# KiCad board nt980.dk.kicad_pcb (continued)
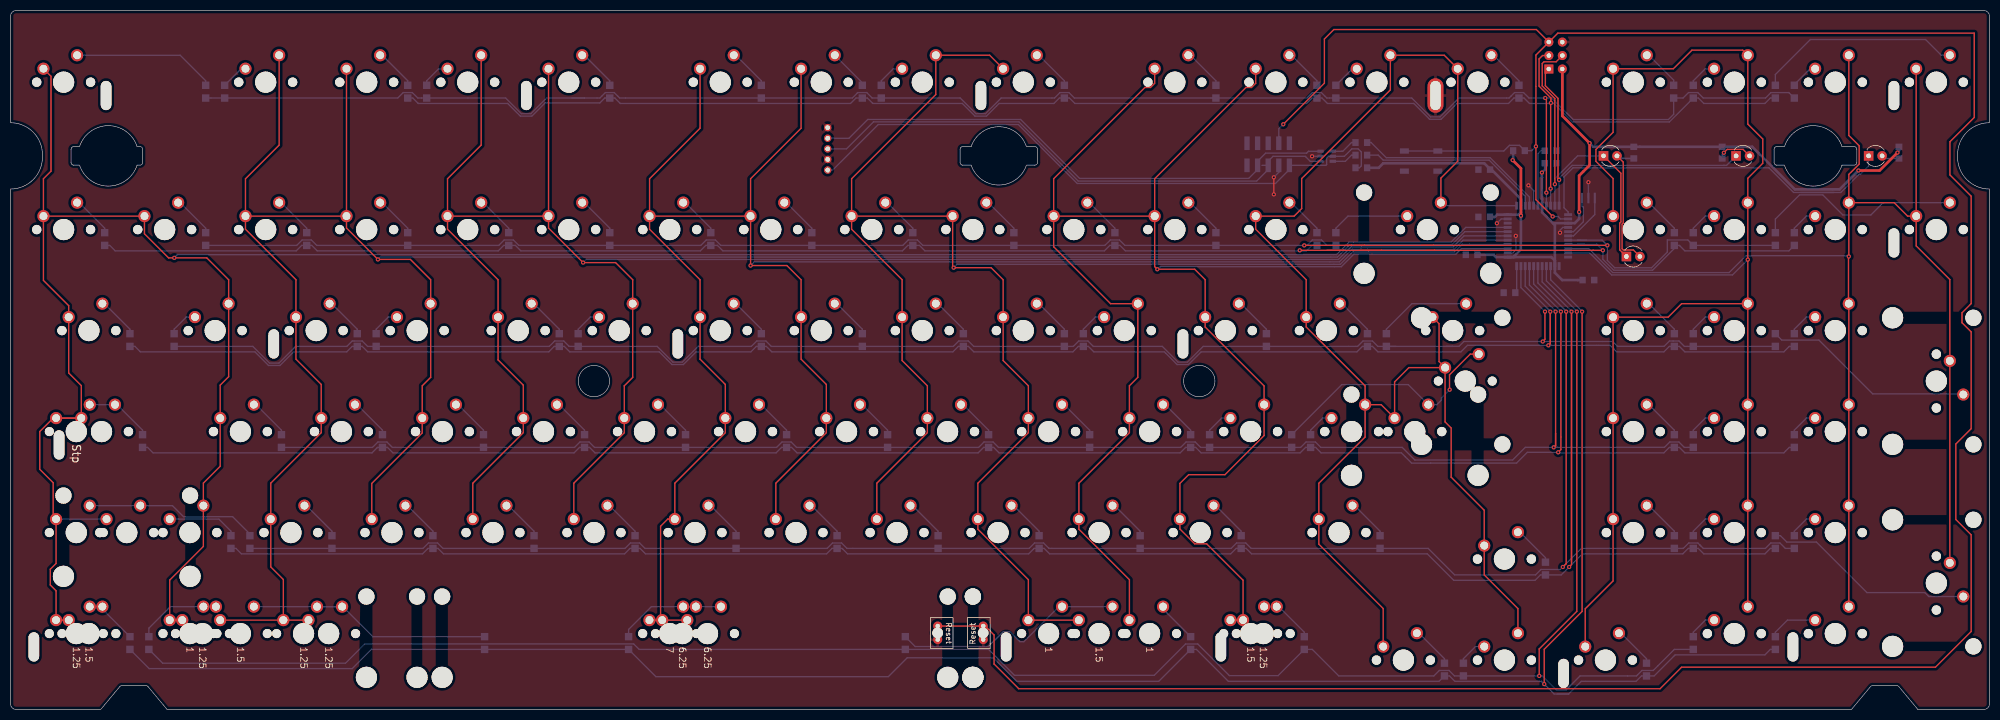
[diagram p0: board, top side]
## Nets (continued)
Net-(D82-Pad2): D82.2 K82.1
Net-(D83-Pad2): D83.2 K83.1
Net-(D84-Pad2): D84.2 K84.1
Net-(D85-Pad2): D85.2 K85.1
Net-(D86-Pad2): D86.2 K86.1
Net-(D87-Pad2): D87.2 K87.1
Net-(D88-Pad2): D88.2 K88.2
Net-(D89-Pad2): D89.2 K89.2
Net-(D90-Pad2): D90.2 K90.1
Net-(D91-Pad2): D91.2 K91.1 K91-2.1
Net-(D92-Pad2): D92.2 K92.1 K92-2.1
Net-(D93-Pad2): D93.2 K93.1 K93-2.1 K93-3.1
Net-(D97-Pad2): D97.2 K97.1 K97-2.1 K97-3.1
Net-(D100-Pad2): D100.2 K100.1 K100-2.1
Net-(D101-Pad2): D101.2 K101.1
Net-(D102-Pad2): D102.2 K102.1 K102-2.1
Net-(D103-Pad2): D103.2 K103.1
Net-(D104-Pad2): D104.2 K104.2
Net-(D105-Pad2): D105.2 K105.1
Net-(D106-Pad2): D106.2 K106.2
Net-(D107-Pad2): D107.2 K107.2
Net-(L1-Pad2): L1.2 L1#2.2 R1.2
Net-(L2-Pad2): L2.2 R2.2
Net-(L3-Pad2): L3.2 R3.2
Net-(R101-Pad1): R101.1 U1.4
Net-(R101-Pad2): R101.2 U2.4
Net-(R102-Pad1): R102.1 U1.3
Net-(R102-Pad2): R102.2 U2.6
Net-(R105-Pad2): R105.2 U1.33
Net-(U1-Pad16): U1.16 X1.2
Net-(U1-Pad17): U1.17 X1.1

Pads without a net: J1 6 8 10; U1 22 42

## Via types
v1: diameter 0.8, hole 0.4, Top to Bottom, 54 vias

## Routing (per net, layer and track width the routed paths; a pad name or vN(x,y) marks a point on that pad's centre or on a via; arc(x,y) is an arc through that point)
GND: length 23.8
  Top w0.25: v1(238.21,100.36) 238.21,97.32 238.03,97.14
  Bottom w0.25: v1(286.23,98.83) 287.21,97.85 U1.5 ; J1.3 239.15,101.3 v1(238.21,100.36) ; X1.3 v1(297.54,99.43) ; U1.35 283.31,86.11 283.84,86.64 v1(283.84,89.31) ; v1(292.18,89.9) 292.18,90.38 292.71,90.91 U1.15 ; U2.2 v1(245.43,104.33) ; v1(280.27,91.69) 281.09,92.51 U1.43
  vias: v1(238.21,97.14)
VCC: length 211.4
  Top w0.5: v1(283.25,103.6) 284.81,102.03 v1(284.81,93.1) ; v1(295.78,93.82) 295.78,100.66 297.75,102.63 v1(297.75,106.8) 292.62,111.94 J2.2 ; v1(348.46,101.64) 352.44,101.64 v1(355.82,105.02)
  Bottom w0.5: U1.34 283.35,85.31 284.81,86.77 v1(284.81,93.1) 284.81,93.76 ; U1.34 280.1,85.31 279.68,85.74 276.51,85.74 ; U1.34 290.55,85.31 291.21,84.64 U1.24 ; U1.2 284.81,96.26 279.26,101.81 278.89,101.81 278.89,102 277.89,103 258.84,103 257.99,102.15 F1.1 ; U1.2 284.81,96.08 ; U1.2 284.81,93.76 ; v1(348.46,101.64) 344.89,98.07 336.47,98.07 328.42,106.12 R2.1 R1.1 298.44,106.12 v1(297.75,106.8) ; 289.39,103 289.39,101.88 v1(288.76,101.25) 288.76,96.31 288.81,96.26 U1.7 288.81,93.76 290.86,91.71 ; 290.86,91.71 U1.14 294.96,91.71 295.78,92.53 v1(295.78,93.82) ; 290.86,91.71 291.21,91.36 U1.24 ; R3.1 356.1,105.29 v1(355.82,105.02) ; 284.81,93.76 284.36,93.31 U1.44 280.32,93.31 279.89,92.88 278.89,92.88 ; 296.54,80.98 292.6,80.98 291.21,82.36 U1.24 ; R104.2 283.34,103.69 v1(283.25,103.6)
col0: length 500.2
  Top w0.25: K55.2 8.03,54.94 5.49,52.4 5.49,45.29 8.03,42.75 8.03,36.43 8.57,35.89 8.57,27.53 7.48,26.44 7.48,23.46 8.57,22.38 K91.2 K91-2.2 ; K55.2 13.33,61.07 10.95,63.45 K37.2 10.95,76.15 6.19,80.91 6.19,93.04 ; K55.2 K55-2.2 ; 6.19,93.04 6.19,100.09 7.62,101.52 7.62,119.41 K1.2 ; 6.19,93.04 25.24,93.04 25.24,89.71 29.78,85.17 v1(30.86,85.17) 36.99,85.17 41.12,81.04 K38.1 41.12,62.75 39.53,61.16 K56.2 39.53,45.86 36.35,42.68 K74.1 36.35,30.74 30,24.39 K92.2 K92-2.2
  Bottom w0.25: 18.1,35.89 8.57,35.89 ; U1.41 274.4,90.91 271.61,88.12 252.38,88.12 250.02,85.76 31.46,85.76 v1(30.86,85.17)
col1: length 470.7
  Top w0.2: K93-2.2 K93.2
  Top w0.25: K93-3.2 K93.2 51.43,24.49 49.05,26.87 49.05,42.66 58.58,52.19 K57.2 58.58,61.29 53.82,66.05 K39.2 53.82,81.04 44.29,90.56 44.29,93.04 ; 68.1,35.89 68.1,42.62 77.63,52.15 K58.2 77.63,61.04 79.22,62.62 K40.1 79.22,81.04 75.38,84.87 v1(69.26,84.87) 63.34,90.79 63.34,93.04 ; 44.29,93.04 44.29,100.09 50.64,106.44 K3.1 ; 44.29,93.04 63.34,93.04 ; 63.34,93.04 K4.2
  Bottom w0.25: U1.40 274.24,90.11 271.8,87.67 252.56,87.67 250.21,85.31 69.7,85.31 v1(69.26,84.87)
col2: length 395.2
  Top w0.25: 87.15,35.89 87.15,42.66 96.68,52.19 K59.2 96.68,61.16 91.92,65.93 K41.2 91.92,81.04 82.39,90.56 82.39,93.04 ; 82.39,93.04 82.39,100.09 88.74,106.44 K5.1 ; 82.39,93.04 101.44,93.04 ; 106.2,35.89 106.2,42.66 115.73,52.19 K60.2 115.73,61.04 117.32,62.62 K42.1 117.32,81.04 114.08,84.27 v1(107.95,84.27) 101.44,90.79 101.44,93.04 ; K6.2 101.44,93.04
  Bottom w0.25: U1.39 274.08,89.31 271.99,87.22 252.75,87.22 250.39,84.86 108.54,84.86 v1(107.95,84.27)
col3: length 393.6
  Top w0.25: 120.49,93.04 120.49,100.09 130.02,109.61 K7.2 ; 120.49,93.04 139.54,93.04 ; 120.49,93.04 120.49,90.56 130.02,81.04 K43.2 130.02,66.05 134.78,61.29 K61.2 134.78,52.19 125.25,42.66 125.25,35.89 123.91,35.89 122.57,34.55 122.57,17.14 K97.2 ; 144.3,35.89 144.3,42.66 153.83,52.19 K62.2 153.83,61.29 149.07,66.05 K44.2 149.07,81.04 146.39,83.71 v1(139.54,83.71) 139.54,93.04 ; K8.2 149.07,109.61 139.54,100.09 139.54,93.04 ; K97.2 K97-3.2 ; K97.2 K97-2.2
  Bottom w0.25: U1.38 273.91,88.51 272.17,86.77 252.93,86.77 250.58,84.41 140.24,84.41 v1(139.54,83.71)
col4: length 346.7
  Top w0.25: 163.35,35.89 163.35,42.66 172.88,52.19 K63.2 172.88,61.04 168.12,65.8 K45.2 168.12,81.04 158.59,90.56 158.59,93.04 ; K10.2 184.63,123.38 K9.1 174.47,115.96 158.59,100.09 158.59,93.04 ; 158.59,93.04 177.64,93.04 177.64,83.52 v1(177.84,83.32) 184.89,83.32 187.17,81.04 K46.2 187.17,65.8 191.93,61.04 K64.2 191.93,52.19 182.4,42.66 182.4,33.98 191.93,24.46 K100.2 K100-2.2
  Bottom w0.25: v1(177.84,83.32) 178.47,83.95 250.75,83.95 253.12,86.32 272.36,86.32 273.75,87.71 U1.37
col5: length 361.8
  Top w0.25: K101.2 210.98,24.46 201.45,33.98 201.45,42.66 210.98,52.19 K65.2 210.98,61.04 212.57,62.62 K47.1 207.42,76.53 196.69,87.26 196.69,93.04 ; 215.74,93.04 215.74,100.09 232.95,117.3 234,117.3 234.79,118.09 K12.2 ; 215.74,93.04 196.69,93.04 ; 215.74,93.04 215.74,83.52 v1(216.24,83.02) 223.28,83.02 225.27,81.04 K48.2 225.27,72.12 236.38,61.01 K66.1 236.38,51.65 229,44.27 222.15,44.27 220.5,42.62 220.5,34.02 223.3,31.23 225.54,31.23 232.41,24.36 K102.2 K102-2.2 ; 196.69,93.04 196.69,100.09 213.9,117.3 214.95,117.3 215.74,118.09 K11.2
  Bottom w0.25: v1(216.24,83.02) 216.72,83.5 250.94,83.5 253.31,85.87 272.55,85.87 273.59,86.91 U1.36
col6: length 288.6
  Top w0.25: K68-1.2 269.37,65.61 269.37,72.75 268.38,73.73 268.38,73.99 ; K68-1.2 263.68,64.47 260.98,61.77 K68.2 258.44,57.48 K67.1 ; K68-1.2 270.51,54.22 271.65,53.08 271.65,43.8 277.89,37.56 277.89,25.37 284.24,19.02 284.24,14.38 ; K103.2 258.84,19.02 246.7,31.16 246.7,42.65 255.43,51.38 K67.1 ; K67.1 255.43,61.01 244.32,72.12 K49.2 244.32,81.04 234.79,90.56 234.79,93.04 242.04,93.04 243.47,94.46 243.47,100.13 260.19,116.85 260.19,123.38 270.35,123.38 K14.2 272.89,103.39 269.72,100.22 269.72,95.58
  Bottom w0.25: U1.1 270.29,95.01 269.72,95.58
col7: length 291.6
  Top w0.25: K52.1 315.12,76.53 312.58,73.99 K51.2 K69.2 302.19,24.23 296.94,18.98 K105.2 ; K52.1 v1(327.59,84.84) 327.59,100.18 330.41,103 330.41,107.58 327.59,110.4 K16.1 326.63,124.34 317.06,124.34 313.56,120.84 K15.2 302.19,108.85 298.95,105.61 298.95,103.37 302.19,100.13 302.19,93.04 ; K52.1 K70.1 K88.1 327.59,19.38
  Bottom w0.25: v1(327.59,84.84) 324.69,81.94 301.93,81.94 297.76,86.11 U1.21
col8: length 271.4
  Top w0.25: K17.1 346.64,108.25 348.6,106.29 348.6,102.87 346.64,100.91 346.64,95.58 ; 359.34,93.04 359.34,87.43 365.69,81.08 K90.2 ; 359.34,93.04 K18.2 ; 359.34,93.04 357.72,93.04 355.18,95.58 346.64,95.58 ; 346.64,19.38 K89.1 K71.1 K53.1 ; 346.64,95.58 v1(346.64,85.43) ; 346.58,85.16 346.58,76.26
  Bottom w0.25: v1(346.64,85.43) 346.51,85.56 327.24,85.56 324.07,82.39 302.12,82.39 297.6,86.91 U1.20
D+: length 102.1
  Bottom w0.25: NOREF#16.2 158.1,107.72 161.64,111.27 190.46,111.27 201.58,100.15 233.48,100.15 235.15,101.83 J1.7 235.15,103.41 236.66,104.91 244.39,104.91 244.75,105.28 U2.3
D-: length 104.1
  Bottom w0.25: J1.5 237.15,103.41 238.06,104.32 244.13,104.32 245.08,103.38 U2.1 ; J1.5 237.15,101.83 234.97,99.64 201.33,99.64 190.15,110.82 162.72,110.82 157.62,105.72 NOREF#21.2 ; J1.5 235.98,102.62
DIP1: length 541.8
  Top w0.25: v1(290.8,92.97) 287.63,96.14 v1(287.63,106.2) 287.63,123.42 J2.5 ; J2.5 287.71,128.23 249.53,128.23 247.75,126.45 247.75,118.11 v1(239.99,110.36) ; J2.5 291.77,127.56 370.3,127.56 370.3,111.65 365.71,107.06 365.71,100.8 369.71,96.8 369.71,76.54 367.99,74.81 367.99,72.93 369.71,71.2 369.71,52.94 366.82,50.05 366.82,35.82 369.71,32.93 369.71,14.7 362.97,7.96 315.1,7.96 311.05,3.9 190.11,3.9 185.45,8.56 185.45,14.04 183.77,15.72 NOREF#17.5 NOREF#23.5
  Bottom w0.25: U1.13 292.28,92.51 291.82,92.97 v1(290.8,92.97) ; v1(287.63,106.2) 286.82,105.38 R104.1 284.53,106.39 282.65,106.39 281.58,105.32 SW1.2 SW1.2 ; v1(239.99,110.36) 239.15,109.51 J1.4 ; 239.28,108.05 239.28,106.51
MISO: length 62.8
  Top w0.25: v1(292.01,99.87) 291.8,100.08 291.8,115.25 289.42,117.63 289.42,119.9 290.08,120.56 J2.1
  Bottom w0.25: 323.06,102.6 323.58,102.6 325.38,104.4 ; 323.06,102.6 323.28,102.6 ; 323.06,102.6 294.45,102.6 292.01,100.16 v1(292.01,99.87) U1.11
MOSI: length 65.2
  Top w0.25: v1(291.21,99.07) 291.21,99.07 291.21,115.21 288.82,117.59 288.82,121.81 289.16,122.15 291.44,122.15 J2.4 ; L1#2.1 303.43,86.69 303.43,91.7 303.66,91.93 303.66,101.12 300.38,104.4
  Bottom w0.25: 300.38,104.4 295.5,104.4 291.21,100.11 v1(291.21,99.07) U1.10
row0: length 342.2
  Top w0.25: v1(289.39,115.31) 289.61,115.09 v1(289.61,97.46)
  Bottom w0.25: D1.1 D3.1 73,115.31 74.03,116.34 75.75,116.34 76.77,115.31 D5.1 93.35,115.31 96.32,112.35 98.11,112.35 101.07,115.31 108.22,115.31 ; U1.8 v1(289.61,97.46) ; 108.22,115.31 105.85,115.31 ; 108.22,115.31 111.13,115.31 112.15,116.34 113.82,116.34 114.85,115.31 D7.1 158.73,115.31 159.75,116.34 161.45,116.34 162.47,115.31 D9.1 179.08,115.31 182.05,112.35 183.83,112.35 186.8,115.31 196.85,115.31 197.88,116.34 199.57,116.34 200.6,115.31 D11.1 244.45,115.31 245.48,116.34 247.17,116.34 248.2,115.31 D13.1 264.21,115.31 267.77,111.75 269.56,111.75 273.12,115.31 282.58,115.31 283.6,116.34 285.3,116.34 286.32,115.31 v1(289.39,115.31) 290.62,115.31 294.68,111.25 312.61,111.25 313.61,112.25 D15.1 315.39,115.31 316.41,116.34 318.17,116.34 319.2,115.31 330.93,115.31 331.95,116.34 335.34,116.34 D17.1
row2: length 350.6
  Top w0.25: v1(243.11,86.59) 251.36,86.59 ; 251.36,86.59 248.21,86.59 ; 251.36,86.59 258.58,86.59 ; v1(300.26,86.59) 298.39,86.59 ; 298.39,86.59 298.47,86.59 ; 298.39,86.59 268.62,86.59 ; 258.58,86.59 254.33,86.59 ; 258.58,86.59 268.62,86.59 ; 268.62,86.59 266.92,86.59
  Bottom w0.25: D31.1 245.39,87.51 244.36,86.49 243.21,86.49 v1(243.11,86.59) 243.01,86.49 210.21,86.49 209.19,87.51 D29.1 207.29,87.51 206.26,86.49 172.41,86.49 171.39,87.51 D27.1 169.19,87.51 168.16,86.49 134.31,86.49 133.29,87.51 D25.1 131.09,87.51 130.06,86.49 96.21,86.49 95.19,87.51 D23.1 92.99,87.51 91.96,86.49 57.81,86.49 56.79,87.51 D21.1 54.89,87.51 53.86,86.49 19.71,86.49 18.69,87.51 D19.1 ; 295.94,87.71 299.14,87.71 v1(300.26,86.59) 300.26,84.89 302.3,82.84 309.63,82.84 313.74,86.95 D33.1 314.69,87.51 315.71,86.49 335.34,86.49 D35.1 ; 295.94,87.71 295.5,87.71 296.75,87.71 ; 295.94,87.71 U1.19
row3: length 329.7
  Top w0.25: v1(243.95,87.51) 243.96,87.53 252.86,87.53 252.88,87.51 ; 253.47,87.51 253.48,87.52 255.27,87.52 ; 252.88,87.51 255.26,87.51 255.27,87.52 ; 252.88,87.51 251.71,87.51 ; 255.27,87.52 268.37,87.52 ; v1(301.11,87.52) 268.37,87.52 ; 265.98,87.52 268.37,87.52
  Bottom w0.25: D32.1 248.22,87.51 247.2,88.54 245.48,88.54 244.45,87.51 v1(243.95,87.51) D30.1 210.12,87.51 209.1,88.54 207.38,88.54 206.35,87.51 D28.1 172.02,87.51 171,88.54 169.28,88.54 168.25,87.51 D26.1 133.92,87.51 132.9,88.54 131.18,88.54 130.15,87.51 D24.1 95.82,87.51 94.8,88.54 93.08,88.54 92.05,87.51 D22.1 57.72,87.51 56.7,88.54 54.98,88.54 53.95,87.51 D20.1 ; 295.95,88.51 297.15,88.51 ; 295.95,88.51 295.5,88.51 300.12,88.51 v1(301.11,87.52) 301.11,84.67 302.49,83.29 309.45,83.29 312.42,86.26 312.42,88.54 316.29,88.54 D34.1 D36.1 ; 295.95,88.51 U1.18
row4: length 350.9
  Top w0.25: 290.35,68.9 v1(290.35,75.02) 290.35,69.02 v1(289.99,68.66)
  Bottom w0.25: D37.1 23.45,68.46 24.48,67.44 46.07,67.44 48.64,64.87 50.8,64.87 53.37,67.44 63.39,67.44 64.41,68.46 D39.1 66.31,68.46 67.34,67.44 101.49,67.44 102.51,68.46 D41.1 104.41,68.46 105.44,67.44 122.32,67.44 124.71,65.05 126.87,65.05 129.26,67.44 139.59,67.44 140.61,68.46 D43.1 142.51,68.46 143.54,67.44 177.69,67.44 178.71,68.46 D45.1 180.61,68.46 181.64,67.44 200.31,67.44 201.34,68.46 D47.1 203.24,68.46 204.26,67.44 217.57,67.44 219.96,65.05 222.12,65.05 224.51,67.44 253.89,67.44 254.91,68.46 D49.1 256.81,68.46 257.84,67.44 273.5,67.44 274.72,68.66 v1(289.99,68.66) 301.64,68.66 302.87,67.44 311.76,67.44 312.79,68.46 D51.1 314.69,68.46 315.71,67.44 334.39,67.44 335.41,68.46 D53.1 ; U1.31 285.61,79.83 290.35,75.09 v1(290.35,75.02)
row5: length 335.4
  Top w0.25: v1(289.35,75.02) 289.35,69.81 v1(288.93,69.39)
  Bottom w0.25: U1.32 284.81,79.56 v1(289.35,75.02) ; D38.1 45.68,68.46 48.82,65.32 50.61,65.32 53.76,68.46 63.41,68.46 64.43,69.49 66.3,69.49 67.32,68.46 D40.1 101.58,68.46 102.6,69.49 104.3,69.49 105.32,68.46 D42.1 121.93,68.46 124.9,65.5 126.68,65.5 129.65,68.46 139.68,68.46 140.7,69.49 142.42,69.49 143.45,68.46 D44.1 177.78,68.46 178.8,69.49 180.6,69.49 181.62,68.46 D46.1 200.4,68.46 201.43,69.49 203.15,69.49 204.17,68.46 217.18,68.46 220.15,65.5 221.93,65.5 224.9,68.46 D48.1 254,68.46 255.03,69.49 256.8,69.49 257.82,68.46 261.21,68.46 ; 271.94,68.47 271.93,68.46 D50.1 ; 271.94,68.47 273.13,68.47 274.04,69.39 v1(288.93,69.39) 302.11,69.39 303.02,68.47 311.8,68.47 312.82,69.49 314.61,69.49 315.64,68.46 D52.1 D54.1 ; 271.94,68.47 270.75,68.47
row6: length 357.4
  Top w0.25: v1(292.35,75.02) 292.35,49 v1(291.84,48.49)
  Bottom w0.25: D55.1 25.83,49.41 26.86,48.39 68.15,48.39 69.18,49.41 D57.1 71.08,49.41 72.1,48.39 106.25,48.39 107.28,49.41 D59.1 109.18,49.41 110.2,48.39 144.35,48.39 145.38,49.41 D61.1 147.28,49.41 148.3,48.39 182.45,48.39 183.48,49.41 D63.1 185.38,49.41 186.4,48.39 220.55,48.39 221.58,49.41 D65.1 223.48,49.41 224.5,48.39 243.17,48.39 244.2,49.41 D67.1 246.1,49.41 247.12,48.39 262.26,48.39 264.2,46.45 267.77,46.45 267.79,46.46 283.99,46.46 286.02,48.49 v1(291.84,48.49) 291.94,48.39 311.76,48.39 312.79,49.41 D69.1 314.69,49.41 315.71,48.39 334.39,48.39 335.41,49.41 D71.1 ; U1.29 287.21,80.23 292.35,75.09 v1(292.35,75.02)
row7: length 312.9
  Top w0.25: 291.35,52.04 291.35,49.78 v1(290.99,49.42) ; 291.35,52.04 291.35,49.66 ; 291.35,52.04 v1(291.35,75.02)
  Bottom w0.25: v1(291.35,75.02) 291.35,75.09 286.41,80.03 U1.30 ; D70.1 315.62,49.41 314.6,50.44 312.88,50.44 311.86,49.42 v1(290.99,49.42) 285.63,49.42 283.25,47.04 264.79,47.04 262.42,49.41 247.07,49.41 246.05,50.44 244.29,50.44 243.26,49.41 D66.1 224.41,49.41 223.39,50.44 221.67,50.44 220.64,49.41 D64.1 186.29,49.41 185.26,50.44 183.57,50.44 182.54,49.41 D62.1 148.21,49.41 147.19,50.44 145.47,50.44 144.44,49.41 D60.1 110.11,49.41 109.09,50.44 107.37,50.44 106.34,49.41 D58.1 71.99,49.41 70.96,50.44 69.27,50.44 68.24,49.41 D56.1
row8: length 360.9
  Top w0.25: 293.35,27.49 293.31,27.46 ; 293.35,27.49 v1(293.35,75.02) ; 293.35,27.49 v1(292.71,26.86)
  Bottom w0.25: 318.55,31.01 318.17,31.39 316.45,31.39 315.43,30.36 D87.1 296.22,30.36 v1(292.71,26.86) 292.24,26.39 288.58,26.39 287.56,25.37 272.3,25.37 267.31,30.36 D85.1 233.94,30.36 232.91,31.39 231.19,31.39 230.17,30.36 D83.1 195.81,30.36 194.79,31.39 193.09,31.39 192.07,30.36 D81.1 157.71,30.36 156.69,31.39 154.99,31.39 153.97,30.36 D79.1 119.64,30.36 118.61,31.39 116.89,31.39 115.87,30.36 D77.1 81.54,30.36 80.51,31.39 78.79,31.39 77.77,30.36 D75.1 D73.1 ; 318.55,31.01 319.2,30.36 330.9,30.36 331.93,31.39 333.65,31.39 334.67,30.36 D89.1 ; 318.55,31.01 318.75,30.81 ; v1(293.35,75.02) 293.35,75.09 288.01,80.43 U1.28
row9: length 407.8
  Top w0.25: v1(293.9,26.86) 294.35,27.3 v1(294.35,75.02) 294.35,27.79
  Bottom w0.25: D90.1 331.84,30.36 330.81,29.34 319.29,29.34 318.26,30.36 D88.1 316.36,30.36 315.34,29.34 296.38,29.34 v1(293.9,26.86) 292.41,25.36 D86.1 288.49,25.36 287.46,24.34 272.15,24.34 267.15,29.34 234.03,29.34 233,30.36 D84.1 231.1,30.36 230.08,29.34 195.93,29.34 194.9,30.36 D82.1 193,30.36 191.98,29.34 157.83,29.34 156.8,30.36 D80.1 154.9,30.36 153.88,29.34 119.73,29.34 118.7,30.36 D78.1 116.8,30.36 115.78,29.34 81.63,29.34 80.6,30.36 D76.1 78.7,30.36 77.68,29.34 43.53,29.34 42.5,30.36 D74.1 ; v1(294.35,75.02) 294.35,75.09 288.81,80.63 U1.27
row10: length 415.4
  Top w0.25: v1(289.2,4.77) 289.2,11.33 296.35,18.48 v1(296.35,75.02)
  Bottom w0.25: D91.1 26.12,7.7 64.42,7.7 68.04,11.31 D97.1 121.68,6.17 165.51,6.17 169.07,9.73 185.32,9.73 189.76,5.29 216.5,5.29 D101.1 223.62,11.31 229.64,5.29 269.36,5.29 D103.1 271.34,6.31 272.36,5.29 288.69,5.29 v1(289.2,4.77) 291.08,2.9 293.79,2.9 ; 293.79,2.9 296.18,5.29 306.51,5.29 307.54,6.31 D105.1 309.92,6.31 313.9,10.29 330.81,10.29 331.84,11.31 D107.1 ; 293.79,2.9 291.63,2.9 ; U1.25 290.41,81.03 296.35,75.09 v1(296.35,75.02)
row11: length 393.1
  Top w0.25: v1(288.26,6.31) 288.26,11.4 295.35,18.49 v1(295.35,75.02)
  Bottom w0.25: D106.1 313.73,11.31 309.75,7.34 307.63,7.34 306.6,6.31 304.91,6.31 ; 304.91,6.31 304.92,6.31 ; 304.91,6.31 295.96,6.31 293.27,3.63 291.54,3.63 288.85,6.31 v1(288.26,6.31) 272.27,6.31 271.25,7.34 269.41,7.34 268.39,6.31 250.46,6.31 245.46,11.31 D102.1 239.01,6.37 229.83,6.37 223.86,12.34 221.57,12.34 215.65,6.43 189.31,6.43 184.42,11.31 118.52,11.31 117.49,12.35 66.78,12.35 63.15,8.71 ; v1(295.35,75.02) 295.35,75.09 289.61,80.83 U1.26 ; 63.13,8.71 28.68,8.71 D92.1
SCK: length 304
  Top w0.25: J2.3 288.88,123.33 288.23,122.68 288.23,117.55 290.47,115.31 v1(290.47,114.39) 290.41,114.33 v1(290.41,98.22)
  Bottom w0.25: D4.1 75.84,115.31 76.86,114.29 93.74,114.29 96.13,111.9 98.29,111.9 100.78,114.39 111.11,114.39 112.04,115.31 D6.1 113.94,115.31 114.96,114.29 158.39,114.29 159.41,115.31 D8.1 161.56,115.31 162.59,114.29 179.47,114.29 181.86,111.9 184.02,111.9 186.41,114.29 196.74,114.29 197.76,115.31 D10.1 199.66,115.31 200.69,114.29 244.36,114.29 245.39,115.31 D12.1 247.29,115.31 248.31,114.29 264.6,114.29 267.58,111.3 269.74,111.3 272.73,114.29 282.46,114.29 283.49,115.31 D14.1 285.39,115.31 286.41,114.29 290.37,114.29 v1(290.47,114.39) 290.91,114.39 294.5,110.8 312.8,110.8 D16.1 318.26,115.31 319.29,114.29 330.81,114.29 331.84,115.31 D18.1 ; v1(290.41,98.22) U1.9
scrolllock-led: length 78.5
  Bottom w0.25: 293.44,93.31 U1.12 293.71,93.83 292.93,94.62 292.93,100.44 294.64,102.15 331.58,102.15 336.23,97.5 337.6,97.5 ; 350.66,103.83 350.14,103.83 ; 337.6,97.5 343.82,97.5 ; 337.6,97.5 345.13,97.5 348.55,100.91 348.81,100.91 350.38,102.49 350.38,104.4
VUSB: length 116.8
  Bottom w0.25: NOREF#13.2 155.02,101.72 163.61,110.31 190.02,110.31 201.14,99.19 238.52,99.19 241.15,101.83 J1.1 248.02,102.62 248.18,102.77 248.18,104.03 248.48,104.33 U2.5 251.52,104.33 252.92,105.73 254.11,105.73 254.71,105.13 254.71,102.5 254.36,102.15 F1.2
Net-(C101-Pad1): length 13
  Bottom w0.25: 288.01,99.43 288.01,104.79 288.61,105.38 289.39,105.38 ; 288.01,99.43 U1.6 ; 288.01,99.43 288.01,101.03
Net-(D1-Pad2): length 27.1
  Bottom w0.25: 12.54,123.38 31.97,123.38 36.79,118.56 D1.2
Net-(D3-Pad2): length 5.2
  Bottom w0.25: K3.2 43.49,120.84 D3.2
Net-(D4-Pad2): length 8
  Bottom w0.25: K4.1 70.07,123.38 74.89,118.56 D4.2
Net-(D5-Pad2): length 5.7
  Bottom w0.25: 82.39,120.84 80.74,120.84 78.46,118.56 D5.2
Net-(D6-Pad2): length 8
  Bottom w0.25: D6.2 112.99,118.56 108.17,123.38 K6.1
Net-(D7-Pad2): length 8
  Bottom w0.25: D7.2 141.56,118.56 136.75,123.38 K7.1
Net-(D8-Pad2): length 7.8
  Bottom w0.25: K8.1 160.61,118.18 D8.2
Net-(D9-Pad2): length 5.7
  Bottom w0.25: D9.2 164.19,118.56 166.46,120.84 K9.2
Net-(D10-Pad2): length 8
  Bottom w0.25: D10.2 198.71,118.56 193.9,123.38 K10.1
Net-(D11-Pad2): length 8
  Bottom w0.25: 222.09,123.38 222.47,123.38 227.29,118.56 D11.2
Net-(D12-Pad2): length 8
  Bottom w0.25: D12.2 246.34,118.56 241.52,123.38 K12.1
Net-(D13-Pad2): length 5.2
  Bottom w0.25: D13.2 253.04,120.84 K13.2
Net-(D14-Pad2): length 8
  Bottom w0.25: D14.2 284.44,118.56 279.62,123.38 279.24,123.38
Net-(D15-Pad2): length 8
  Bottom w0.25: D15.2 313.61,118.69 308.92,123.38 K15.1
Net-(D16-Pad2): length 5.7
  Bottom w0.25: D16.2 317.31,118.56 319.59,120.84 K16.2
Net-(D17-Pad2): length 5.3
  Bottom w0.25: K17.2 339.36,120.84 336.36,117.84 D17.2
Net-(D18-Pad2): length 38.9
  Bottom w0.25: D18.2 332.79,119.75 339.38,126.34 361.11,126.34 364.07,123.38 K18.1
Net-(D19-Pad2): length 8
  Bottom w0.25: 12.54,95.58 12.92,95.58 17.74,90.76 D19.2
Net-(D20-Pad2): length 8
  Bottom w0.25: 31.59,95.58 31.97,95.58 36.79,90.76 D20.2
Net-(D21-Pad2): length 8
  Bottom w0.25: 50.64,95.58 51.02,95.58 55.84,90.76 D21.2
Net-(D22-Pad2): length 8
  Bottom w0.25: 69.69,95.58 70.07,95.58 74.89,90.76 D22.2
Net-(D23-Pad2): length 8
  Bottom w0.25: 88.74,95.58 89.12,95.58 93.94,90.76 D23.2
Net-(D24-Pad2): length 8
  Bottom w0.25: 107.79,95.58 108.17,95.58 112.99,90.76 D24.2
Net-(D25-Pad2): length 8
  Bottom w0.25: D25.2 132.04,90.76 127.22,95.58 126.84,95.58
Net-(D26-Pad2): length 8
  Bottom w0.25: D26.2 151.09,90.76 146.27,95.58 145.89,95.58
Net-(D27-Pad2): length 8
  Bottom w0.25: 164.94,95.58 165.32,95.58 170.14,90.76 D27.2
Net-(D28-Pad2): length 8
  Bottom w0.25: D28.2 189.19,90.76 184.37,95.58 183.99,95.58
Net-(D29-Pad2): length 8
  Bottom w0.25: D29.2 208.24,90.76 203.42,95.58 203.04,95.58
Net-(D30-Pad2): length 8
  Bottom w0.25: 222.09,95.58 222.47,95.58 227.29,90.76 D30.2
Net-(D31-Pad2): length 8
  Bottom w0.25: D31.2 246.34,90.76 241.52,95.58 241.14,95.58
Net-(D32-Pad2): length 15.2
  Bottom w0.25: 263.37,93.04 252.19,93.04 249.91,90.76 D32.2
Net-(D33-Pad2): length 8
  Bottom w0.25: D33.2 313.74,90.76 308.92,95.58 308.54,95.58
Net-(D34-Pad2): length 5.7
  Bottom w0.25: D34.2 317.31,90.76 319.59,93.04 321.24,93.04
Net-(D35-Pad2): length 5.7
  Bottom w0.25: D35.2 336.36,90.76 338.64,93.04 340.29,93.04
Net-(D36-Pad2): length 39.9
  Bottom w0.25: 365.69,95.58 353.13,95.58 350.8,93.25 345.52,93.25 341.73,97.05 337.36,97.05 332.79,92.48 D36.2
Net-(D37-Pad2): length 8
  Bottom w0.25: D37.2 22.5,71.71 17.69,76.53 K37.1
Net-(D38-Pad2): length 5.7
  Bottom w0.25: K38.2 33.11,73.99 30.84,71.71 D38.2
Net-(D39-Pad2): length 8
  Bottom w0.25: K39.1 60.55,76.53 65.36,71.71 D39.2
Net-(D40-Pad2): length 5.7
  Bottom w0.25: D40.2 68.94,71.71 71.21,73.99 K40.2
Net-(D41-Pad2): length 8
  Bottom w0.25: K41.1 98.65,76.53 103.46,71.71 D41.2
Net-(D42-Pad2): length 5.7
  Bottom w0.25: K42.2 109.31,73.99 107.04,71.71 D42.2
Net-(D43-Pad2): length 8
  Bottom w0.25: K43.1 136.75,76.53 141.56,71.71 D43.2
Net-(D44-Pad2): length 8
  Bottom w0.25: D44.2 160.61,71.71 155.8,76.53 K44.1
Net-(D45-Pad2): length 8
  Bottom w0.25: D45.2 179.66,71.71 174.85,76.53 K45.1
Net-(D46-Pad2): length 8
  Bottom w0.25: D46.2 198.71,71.71 193.9,76.53 K46.1
Net-(D47-Pad2): length 5.7
  Bottom w0.25: K47.2 204.56,73.99 202.29,71.71 D47.2
Net-(D48-Pad2): length 8
  Bottom w0.25: K48.1 232,76.53 236.81,71.71 D48.2
Net-(D49-Pad2): length 8
  Bottom w0.25: K49.1 251.05,76.53 255.86,71.71 D49.2
Net-(D50-Pad2): length 17.9
  Bottom w0.25: D50.2 259.44,71.71 264.25,76.53 K50.1
Net-(D51-Pad2): length 8
  Bottom w0.25: K51.1 308.92,76.53 313.74,71.71 D51.2
Net-(D52-Pad2): length 5.7
  Bottom w0.25: K52.2 319.59,73.99 317.31,71.71 D52.2
Net-(D53-Pad2): length 5.7
  Bottom w0.25: D53.2 336.36,71.71 338.64,73.99 K53.2
Net-(D54-Pad2): length 40.2
  Bottom w0.25: K54.1 368.1,59.51 351.15,59.51 340.99,69.66 333.99,69.66 D54.2
Net-(D55-Pad2): length 12.8
  Bottom w0.25: K55-2.1 K55.1 20.07,57.48 24.88,52.66 D55.2
Net-(D56-Pad2): length 8
  Bottom w0.25: D56.2 51.08,52.66 46.26,57.48 K56.1
Net-(D57-Pad2): length 8
  Bottom w0.25: D57.2 70.13,52.66 65.31,57.48 K57.1
Net-(D58-Pad2): length 8
  Bottom w0.25: K58.1 84.36,57.48 89.18,52.66 D58.2
Net-(D59-Pad2): length 8
  Bottom w0.25: D59.2 108.23,52.66 103.41,57.48 K59.1
Net-(D60-Pad2): length 8
  Bottom w0.25: D60.2 127.28,52.66 122.46,57.48 K60.1
Net-(D61-Pad2): length 8
  Bottom w0.25: K61.1 141.51,57.48 146.33,52.66 D61.2
Net-(D62-Pad2): length 8
  Bottom w0.25: K62.1 160.56,57.48 165.38,52.66 D62.2
Net-(D63-Pad2): length 8
  Bottom w0.25: K63.1 179.61,57.48 184.43,52.66 D63.2
Net-(D64-Pad2): length 8
  Bottom w0.25: K64.1 198.66,57.48 203.48,52.66 D64.2
Net-(D65-Pad2): length 8
  Bottom w0.25: D65.2 222.53,52.66 217.71,57.48 K65.1
Net-(D66-Pad2): length 5.7
  Bottom w0.25: D66.2 226.1,52.66 228.37,54.94 K66.2
Net-(D67-Pad2): length 5.7
  Bottom w0.25: D67.2 245.15,52.66 247.42,54.94 K67.2
Net-(D68-Pad2): length 46.6
  Top w0.25: K68-1.1 275.24,67.01 271.34,63.1 271.34,60.34 v1(271.38,60.3)
  Bottom w0.25: v1(271.38,60.3) 269.82,58.75 269.82,58.35 268.95,57.48 K68.1 263.55,61.26 251.02,61.26 D68.2
Net-(D69-Pad2): length 8
  Bottom w0.25: K69.1 308.92,57.48 313.74,52.66 D69.2
Net-(D70-Pad2): length 5.7
  Bottom w0.25: K70.2 319.59,54.94 317.31,52.66 D70.2
Net-(D71-Pad2): length 5.7
  Bottom w0.25: D71.2 336.36,52.66 338.64,54.94 K71.2
Net-(D73-Pad2): length 32.7
  Bottom w0.25: K73-1.1 K73.1 30.52,38.43 32.61,36.34 41.87,36.34 45.12,33.08 D73.2
Net-(D74-Pad2): length 13.3
  Bottom w0.25: D74.2 41.55,33.61 39.28,35.89 30,35.89
Net-(D75-Pad2): length 8
  Bottom w0.25: K75.1 55.79,38.43 60.6,33.61 D75.2
Net-(D76-Pad2): length 8
  Bottom w0.25: K76.1 74.84,38.43 79.65,33.61 D76.2
Net-(D77-Pad2): length 8
  Bottom w0.25: K77.1 93.89,38.43 98.7,33.61 D77.2
Net-(D78-Pad2): length 8
  Bottom w0.25: K78.1 112.94,38.43 117.75,33.61 D78.2
Net-(D79-Pad2): length 8
  Bottom w0.25: K79.1 131.99,38.43 136.8,33.61 D79.2
Net-(D80-Pad2): length 8
  Bottom w0.25: K80.1 151.04,38.43 155.85,33.61 D80.2
Net-(D81-Pad2): length 8
  Bottom w0.25: D81.2 174.9,33.61 170.09,38.43 K81.1
Net-(D82-Pad2): length 8
  Bottom w0.25: K82.1 189.14,38.43 193.95,33.61 D82.2
Net-(D83-Pad2): length 8
  Bottom w0.25: D83.2 213,33.61 208.19,38.43 K83.1
Net-(D84-Pad2): length 8
  Bottom w0.25: D84.2 232.05,33.61 227.24,38.43 K84.1
Net-(D85-Pad2): length 8
  Bottom w0.25: D85.2 258.25,33.61 253.43,38.43 K85.1
Net-(D86-Pad2): length 8
  Bottom w0.25: 284.24,33.43 284.62,33.43 289.44,28.61 D86.2
Net-(D87-Pad2): length 8
  Bottom w0.25: D87.2 313.74,33.61 308.92,38.43 K87.1
Net-(D88-Pad2): length 5.7
  Bottom w0.25: 321.24,35.89 319.59,35.89 317.31,33.61 D88.2
Net-(D89-Pad2): length 5.7
  Bottom w0.25: D89.2 336.36,33.61 338.64,35.89 340.29,35.89
Net-(D90-Pad2): length 40.2
  Bottom w0.25: K90.1 361.73,21.28 360.98,22.03 350.06,22.03 340.53,31.56 334.94,31.56 333.74,32.76 D90.2
Net-(D91-Pad2): length 12.7
  Bottom w0.25: D91.2 16.84,19.38 14.92,19.38 ; 14.92,19.38 15.3,19.38 ; 14.92,19.38 17.31,19.38
Net-(D92-Pad2): length 16.3
  Bottom w0.25: 36.74,19.38 36.35,19.38 ; 36.35,19.38 38.72,19.38 ; 36.35,19.38 30.13,19.38 26.07,15.32 D92.2
Net-(D93-Pad2): length 50.6
  Bottom w0.25: 62.52,19.38 57.78,19.38 ; 57.78,19.38 45.87,19.38 ; 57.78,19.38 62.64,19.38 68.31,13.71 D93.2
Net-(D97-Pad2): length 23
  Bottom w0.25: 129.22,19.38 120.83,19.38 116.54,15.08 D97.2 ; 129.22,19.38 126.82,19.38 ; 129.22,19.38 133.96,19.38
Net-(D100-Pad2): length 45
  Bottom w0.25: 198.28,19.38 197.68,19.38 191.08,12.78 190.33,12.78 188.45,14.66 187.18,14.66 184.37,11.85 170.58,11.85 D100.2 ; 198.28,19.38 198.79,19.38 ; 198.28,19.38 207.79,19.38
Net-(D101-Pad2): length 7.8
  Bottom w0.25: D101.2 217.33,18.91 217.33,19.38
Net-(D102-Pad2): length 10.4
  Bottom w0.25: D102.2 243.96,14.56 239.14,19.38 236.38,19.38
Net-(D103-Pad2): length 8
  Bottom w0.25: 265.19,14.38 265.57,14.38 270.39,9.56 D103.2
Net-(D104-Pad2): length 5.7
  Bottom w0.25: K104.2 276.24,11.84 273.96,9.56 D104.2
Net-(D105-Pad2): length 8
  Bottom w0.25: D105.2 308.49,9.56 303.67,14.38 303.29,14.38
Net-(D106-Pad2): length 5.7
  Bottom w0.25: D106.2 317.31,14.56 319.59,16.84 K106.2
Net-(D107-Pad2): length 9.3
  Bottom w0.25: D107.2 332.79,14.56 335.07,16.84 K107.2
Net-(L1-Pad2): length 28.4
  Top w0.25: L1.2 304.11,103.21 304.11,91.74 303.88,91.52 303.88,86.88 304.12,86.65 306.02,86.65 L1#2.2
  Bottom w0.25: L1.2 303.4,103.92 R1.2 303.29,103.92 303.2,103.83
